# KiCad board demo_matrix2.kicad_pcb (continued)
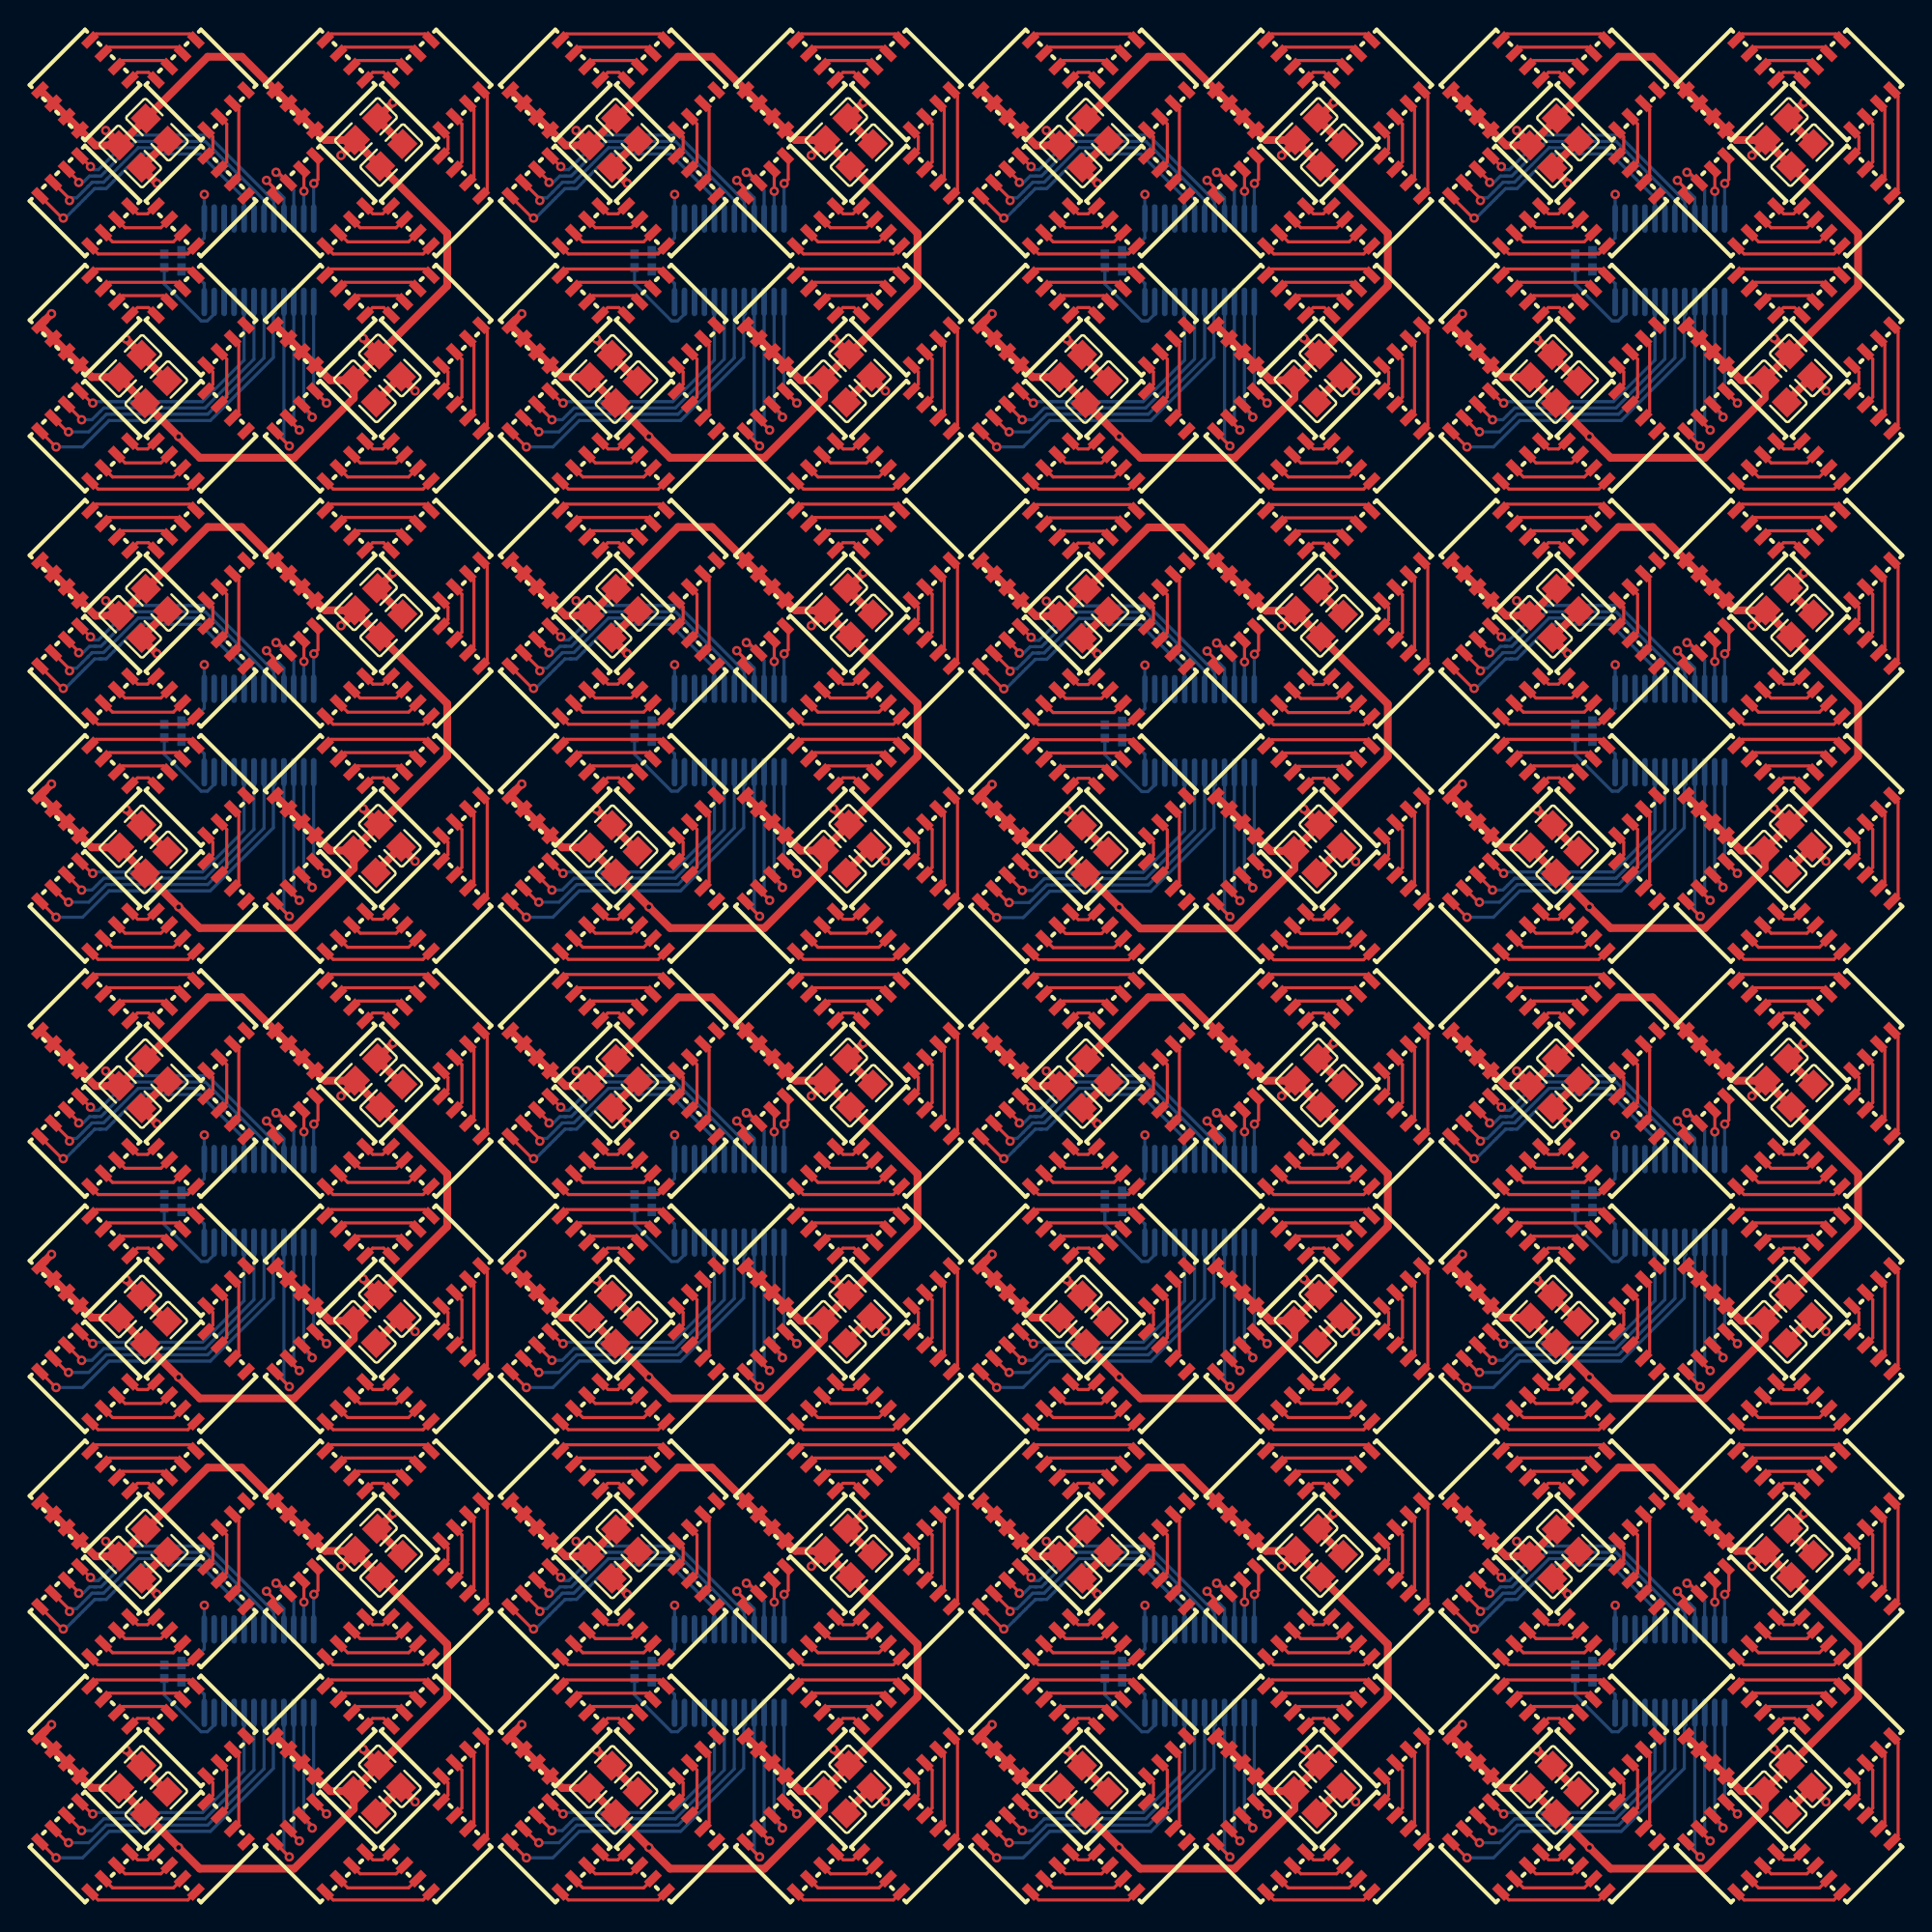
[diagram p0: board, top side]
## Routing (per net, layer and track width the routed paths; a pad name or vN(x,y) marks a point on that pad's centre or on a via; arc(x,y) is an arc through that point) (continued)
driver-power-GND-11: length 5.8
  Bottom w0.2: v1(71.41,75.39) 71.41,75.39 U26.1 71.41,72.61 70.51,71.71 C54.2 69.84,71.59 R6.2
driver-power-GND-12: length 5.8
  Bottom w0.2: R7.2 39.84,71.61 C63.2 40.51,71.73 41.41,72.63 U31.1 41.41,75.41 v1(41.41,75.42)
driver-power-GND-13: length 5.8
  Bottom w0.2: R8.2 9.84,71.61 C72.2 10.51,71.73 11.41,72.63 U36.1 11.41,75.41 v1(11.41,75.42)
driver-power-GND-14: length 5.8
  Bottom w0.2: R9.2 9.84,41.61 C81.2 10.51,41.73 11.41,42.63 U41.1 11.41,45.41 v1(11.41,45.42)
driver-power-GND-15: length 5.8
  Bottom w0.2: R10.2 39.84,41.61 C90.2 40.51,41.73 41.41,42.63 U46.1 41.41,45.41 v1(41.41,45.42)
driver-power-VCC-0: length 3
  Bottom w0.2: C9.1 10.51,100.63 11.41,99.73 U1.24
driver-power-VCC-1: length 3
  Bottom w0.2: U51.24 71.41,39.73 70.51,40.63 C99.1
driver-power-VCC-2: length 3
  Bottom w0.2: C108.1 100.51,40.63 101.41,39.73 U56.24
driver-power-VCC-3: length 3
  Bottom w0.2: U61.24 101.41,9.73 100.51,10.63 C117.1
driver-power-VCC-4: length 3
  Bottom w0.2: C126.1 70.51,10.63 71.41,9.73 U66.24
driver-power-VCC-5: length 3
  Bottom w0.2: C135.1 40.51,10.63 41.41,9.73 U71.24
driver-power-VCC-6: length 3
  Bottom w0.2: C144.1 10.51,10.63 11.41,9.73 U76.24
driver-power-VCC-7: length 3
  Bottom w0.2: U6.24 41.41,99.73 40.51,100.63 C18.1
driver-power-VCC-8: length 3
  Bottom w0.2: U11.24 71.41,99.73 70.51,100.63 C27.1
driver-power-VCC-9: length 3
  Bottom w0.2: C36.1 100.51,100.63 101.41,99.73 U16.24
driver-power-VCC-10: length 3
  Bottom w0.2: C45.1 100.51,70.63 101.41,69.73 U21.24
driver-power-VCC-11: length 3
  Bottom w0.2: C54.1 70.51,70.61 71.41,69.71 U26.24
driver-power-VCC-12: length 3
  Bottom w0.2: U31.24 41.41,69.73 40.51,70.63 C63.1
driver-power-VCC-13: length 3
  Bottom w0.2: U36.24 11.41,69.73 10.51,70.63 C72.1
driver-power-VCC-14: length 3
  Bottom w0.2: U41.24 11.41,39.73 10.51,40.63 C81.1
driver-power-VCC-15: length 3
  Bottom w0.2: U46.24 41.41,39.73 40.51,40.63 C90.1
rgbs[1]-anodes-anode-0: length 5.4
  Top w0.2: LED1.3 5.36,114.81 9.64,114.81 LED2.4
rgbs[1]-anodes-anode-1: length 7.1
  Top w0.2: LED2.2 10.49,115.66 4.51,115.66 LED1.1
rgbs[1]-anodes-anode-2: length 3.7
  Top w0.2: LED1.5 6.21,113.96 8.79,113.96 LED2.6
rgbs[1]-anodes-anode-3: length 2.1
  Top w0.2: LED2.8 7.85,113.2 7.15,113.2 LED1.7
rgbs[1]-anodes-anode-4: length 5.4
  Top w0.2: LED5.3 20.36,114.81 24.64,114.81 LED6.4
rgbs[1]-anodes-anode-5: length 7.1
  Top w0.2: LED6.2 25.49,115.66 19.51,115.66 LED5.1
rgbs[1]-anodes-anode-6: length 3.7
  Top w0.2: LED5.5 21.21,113.96 23.79,113.96 LED6.6
rgbs[1]-anodes-anode-7: length 2.1
  Top w0.2: LED6.8 22.85,113.2 22.15,113.2 LED5.7
rgbs[1]-anodes-anode-8: length 5.4
  Top w0.2: LED9.3 5.36,99.81 9.64,99.81 LED10.4
rgbs[1]-anodes-anode-9: length 7.1
  Top w0.2: LED9.1 4.51,100.66 10.49,100.66 LED10.2
rgbs[1]-anodes-anode-10: length 3.7
  Top w0.2: LED10.6 8.79,98.96 6.21,98.96 LED9.5
rgbs[1]-anodes-anode-11: length 2.1
  Top w0.2: LED10.8 7.85,98.2 7.15,98.2 LED9.7
rgbs[1]-anodes-anode-12: length 5.4
  Top w0.2: LED14.4 24.64,99.81 20.36,99.81 LED13.3
rgbs[1]-anodes-anode-13: length 7.1
  Top w0.2: LED14.2 25.49,100.66 19.51,100.66 LED13.1
rgbs[1]-anodes-anode-14: length 3.7
  Top w0.2: LED13.5 21.21,98.96 23.79,98.96 LED14.6
rgbs[1]-anodes-anode-15: length 2.1
  Top w0.2: LED14.8 22.85,98.2 22.15,98.2 LED13.7
rgbs[1]-anodes-anode-16: length 5.4
  Top w0.2: LED162.4 69.64,54.81 65.36,54.81 LED161.3
rgbs[1]-anodes-anode-17: length 7.1
  Top w0.2: LED161.1 64.51,55.66 70.49,55.66 LED162.2
rgbs[1]-anodes-anode-18: length 3.7
  Top w0.2: LED161.5 66.21,53.96 68.79,53.96 LED162.6
rgbs[1]-anodes-anode-19: length 2.1
  Top w0.2: LED161.7 67.15,53.2 67.85,53.2 LED162.8
rgbs[1]-anodes-anode-20: length 5.4
  Top w0.2: LED165.3 80.36,54.81 84.64,54.81 LED166.4
rgbs[1]-anodes-anode-21: length 7.1
  Top w0.2: LED166.2 85.49,55.66 79.51,55.66 LED165.1
rgbs[1]-anodes-anode-22: length 3.7
  Top w0.2: LED165.5 81.21,53.96 83.79,53.96 LED166.6
rgbs[1]-anodes-anode-23: length 2.1
  Top w0.2: LED166.8 82.85,53.2 82.15,53.2 LED165.7
rgbs[1]-anodes-anode-24: length 5.4
  Top w0.2: LED169.3 65.36,39.81 69.64,39.81 LED170.4
rgbs[1]-anodes-anode-25: length 7.1
  Top w0.2: LED170.2 70.49,40.66 64.51,40.66 LED169.1
rgbs[1]-anodes-anode-26: length 3.7
  Top w0.2: LED170.6 68.79,38.96 66.21,38.96 LED169.5
rgbs[1]-anodes-anode-27: length 2.1
  Top w0.2: LED170.8 67.85,38.2 67.15,38.2 LED169.7
rgbs[1]-anodes-anode-28: length 5.4
  Top w0.2: LED173.3 80.36,39.81 84.64,39.81 LED174.4
rgbs[1]-anodes-anode-29: length 7.1
  Top w0.2: LED173.1 79.51,40.66 85.49,40.66 LED174.2
rgbs[1]-anodes-anode-30: length 3.7
  Top w0.2: LED173.5 81.21,38.96 83.79,38.96 LED174.6
rgbs[1]-anodes-anode-31: length 2.1
  Top w0.2: LED174.8 82.85,38.2 82.15,38.2 LED173.7
rgbs[1]-anodes-anode-32: length 5.4
  Top w0.2: LED178.4 99.64,54.81 95.36,54.81 LED177.3
rgbs[1]-anodes-anode-33: length 7.1
  Top w0.2: LED177.1 94.51,55.66 100.49,55.66 LED178.2
rgbs[1]-anodes-anode-34: length 3.7
  Top w0.2: LED178.6 98.79,53.96 96.21,53.96 LED177.5
rgbs[1]-anodes-anode-35: length 2.1
  Top w0.2: LED177.7 97.15,53.2 97.85,53.2 LED178.8
rgbs[1]-anodes-anode-36: length 5.4
  Top w0.2: LED181.3 110.36,54.81 114.64,54.81 LED182.4
rgbs[1]-anodes-anode-37: length 7.1
  Top w0.2: LED182.2 115.49,55.66 109.51,55.66 LED181.1
rgbs[1]-anodes-anode-38: length 3.7
  Top w0.2: LED182.6 113.79,53.96 111.21,53.96 LED181.5
rgbs[1]-anodes-anode-39: length 2.1
  Top w0.2: LED181.7 112.15,53.2 112.85,53.2 LED182.8
rgbs[1]-anodes-anode-40: length 5.4
  Top w0.2: LED186.4 99.64,39.81 95.36,39.81 LED185.3
rgbs[1]-anodes-anode-41: length 7.1
  Top w0.2: LED186.2 100.49,40.66 94.51,40.66 LED185.1
rgbs[1]-anodes-anode-42: length 3.7
  Top w0.2: LED186.6 98.79,38.96 96.21,38.96 LED185.5
rgbs[1]-anodes-anode-43: length 2.1
  Top w0.2: LED185.7 97.15,38.2 97.85,38.2 LED186.8
rgbs[1]-anodes-anode-44: length 5.4
  Top w0.2: LED189.3 110.36,39.81 114.64,39.81 LED190.4
rgbs[1]-anodes-anode-45: length 7.1
  Top w0.2: LED190.2 115.49,40.66 109.51,40.66 LED189.1
rgbs[1]-anodes-anode-46: length 3.7
  Top w0.2: LED190.6 113.79,38.96 111.21,38.96 LED189.5
rgbs[1]-anodes-anode-47: length 2.1
  Top w0.2: LED190.8 112.85,38.2 112.15,38.2 LED189.7
rgbs[1]-anodes-anode-48: length 5.4
  Top w0.2: LED194.4 99.64,24.81 95.36,24.81 LED193.3
rgbs[1]-anodes-anode-49: length 7.1
  Top w0.2: LED193.1 94.51,25.66 100.49,25.66 LED194.2
rgbs[1]-anodes-anode-50: length 3.7
  Top w0.2: LED193.5 96.21,23.96 98.79,23.96 LED194.6
rgbs[1]-anodes-anode-51: length 2.1
  Top w0.2: LED194.8 97.85,23.2 97.15,23.2 LED193.7
rgbs[1]-anodes-anode-52: length 5.4
  Top w0.2: LED197.3 110.36,24.81 114.64,24.81 LED198.4
rgbs[1]-anodes-anode-53: length 7.1
  Top w0.2: LED198.2 115.49,25.66 109.51,25.66 LED197.1
rgbs[1]-anodes-anode-54: length 3.7
  Top w0.2: LED198.6 113.79,23.96 111.21,23.96 LED197.5
rgbs[1]-anodes-anode-55: length 2.1
  Top w0.2: LED198.8 112.85,23.2 112.15,23.2 LED197.7
rgbs[1]-anodes-anode-56: length 5.4
  Top w0.2: LED201.3 95.36,9.81 99.64,9.81 LED202.4
rgbs[1]-anodes-anode-57: length 7.1
  Top w0.2: LED201.1 94.51,10.66 100.49,10.66 LED202.2
rgbs[1]-anodes-anode-58: length 3.7
  Top w0.2: LED201.5 96.21,8.96 98.79,8.96 LED202.6
rgbs[1]-anodes-anode-59: length 2.1
  Top w0.2: LED202.8 97.85,8.2 97.15,8.2 LED201.7
rgbs[1]-anodes-anode-60: length 5.4
  Top w0.2: LED206.4 114.64,9.81 110.36,9.81 LED205.3
rgbs[1]-anodes-anode-61: length 7.1
  Top w0.2: LED205.1 109.51,10.66 115.49,10.66 LED206.2
rgbs[1]-anodes-anode-62: length 3.7
  Top w0.2: LED206.6 113.79,8.96 111.21,8.96 LED205.5
rgbs[1]-anodes-anode-63: length 2.1
  Top w0.2: LED206.8 112.85,8.2 112.15,8.2 LED205.7
rgbs[1]-anodes-anode-64: length 5.4
  Top w0.2: LED209.3 65.36,24.81 69.64,24.81 LED210.4
rgbs[1]-anodes-anode-65: length 7.1
  Top w0.2: LED209.1 64.51,25.66 70.49,25.66 LED210.2
rgbs[1]-anodes-anode-66: length 3.7
  Top w0.2: LED210.6 68.79,23.96 66.21,23.96 LED209.5
rgbs[1]-anodes-anode-67: length 2.1
  Top w0.2: LED210.8 67.85,23.2 67.15,23.2 LED209.7
rgbs[1]-anodes-anode-68: length 5.4
  Top w0.2: LED213.3 80.36,24.81 84.64,24.81 LED214.4
rgbs[1]-anodes-anode-69: length 7.1
  Top w0.2: LED214.2 85.49,25.66 79.51,25.66 LED213.1
rgbs[1]-anodes-anode-70: length 3.7
  Top w0.2: LED214.6 83.79,23.96 81.21,23.96 LED213.5
rgbs[1]-anodes-anode-71: length 2.1
  Top w0.2: LED213.7 82.15,23.2 82.85,23.2 LED214.8
rgbs[1]-anodes-anode-72: length 5.4
  Top w0.2: LED218.4 69.64,9.81 65.36,9.81 LED217.3
rgbs[1]-anodes-anode-73: length 7.1
  Top w0.2: LED217.1 64.51,10.66 70.49,10.66 LED218.2
rgbs[1]-anodes-anode-74: length 3.7
  Top w0.2: LED217.5 66.21,8.96 68.79,8.96 LED218.6
rgbs[1]-anodes-anode-75: length 2.1
  Top w0.2: LED218.8 67.85,8.2 67.15,8.2 LED217.7
rgbs[1]-anodes-anode-76: length 5.4
  Top w0.2: LED222.4 84.64,9.81 80.36,9.81 LED221.3
rgbs[1]-anodes-anode-77: length 7.1
  Top w0.2: LED221.1 79.51,10.66 85.49,10.66 LED222.2
rgbs[1]-anodes-anode-78: length 3.7
  Top w0.2: LED221.5 81.21,8.96 83.79,8.96 LED222.6
rgbs[1]-anodes-anode-79: length 2.1
  Top w0.2: LED222.8 82.85,8.2 82.15,8.2 LED221.7
rgbs[1]-anodes-anode-80: length 5.4
  Top w0.2: LED225.3 35.36,24.81 39.64,24.81 LED226.4
rgbs[1]-anodes-anode-81: length 7.1
  Top w0.2: LED226.2 40.49,25.66 34.51,25.66 LED225.1
rgbs[1]-anodes-anode-82: length 3.7
  Top w0.2: LED226.6 38.79,23.96 36.21,23.96 LED225.5
rgbs[1]-anodes-anode-83: length 2.1
  Top w0.2: LED226.8 37.85,23.2 37.15,23.2 LED225.7
rgbs[1]-anodes-anode-84: length 5.4
  Top w0.2: LED230.4 54.64,24.81 50.36,24.81 LED229.3
rgbs[1]-anodes-anode-85: length 7.1
  Top w0.2: LED230.2 55.49,25.66 49.51,25.66 LED229.1
rgbs[1]-anodes-anode-86: length 3.7
  Top w0.2: LED230.6 53.79,23.96 51.21,23.96 LED229.5
rgbs[1]-anodes-anode-87: length 2.1
  Top w0.2: LED229.7 52.15,23.2 52.85,23.2 LED230.8
rgbs[1]-anodes-anode-88: length 5.4
  Top w0.2: LED233.3 35.36,9.81 39.64,9.81 LED234.4
rgbs[1]-anodes-anode-89: length 7.1
  Top w0.2: LED234.2 40.49,10.66 34.51,10.66 LED233.1
rgbs[1]-anodes-anode-90: length 3.7
  Top w0.2: LED233.5 36.21,8.96 38.79,8.96 LED234.6
rgbs[1]-anodes-anode-91: length 2.1
  Top w0.2: LED233.7 37.15,8.2 37.85,8.2 LED234.8
rgbs[1]-anodes-anode-92: length 5.4
  Top w0.2: LED237.3 50.36,9.81 54.64,9.81 LED238.4
rgbs[1]-anodes-anode-93: length 7.1
  Top w0.2: LED237.1 49.51,10.66 55.49,10.66 LED238.2
rgbs[1]-anodes-anode-94: length 3.7
  Top w0.2: LED238.6 53.79,8.96 51.21,8.96 LED237.5
rgbs[1]-anodes-anode-95: length 2.1
  Top w0.2: LED237.7 52.15,8.2 52.85,8.2 LED238.8
rgbs[1]-anodes-anode-96: length 5.4
  Top w0.2: LED241.3 5.36,24.81 9.64,24.81 LED242.4
rgbs[1]-anodes-anode-97: length 7.1
  Top w0.2: LED241.1 4.51,25.66 10.49,25.66 LED242.2
rgbs[1]-anodes-anode-98: length 3.7
  Top w0.2: LED242.6 8.79,23.96 6.21,23.96 LED241.5
rgbs[1]-anodes-anode-99: length 2.1
  Top w0.2: LED242.8 7.85,23.2 7.15,23.2 LED241.7
rgbs[1]-anodes-anode-100: length 5.4
  Top w0.2: LED246.4 24.64,24.81 20.36,24.81 LED245.3
rgbs[1]-anodes-anode-101: length 7.1
  Top w0.2: LED245.1 19.51,25.66 25.49,25.66 LED246.2
rgbs[1]-anodes-anode-102: length 3.7
  Top w0.2: LED245.5 21.21,23.96 23.79,23.96 LED246.6
rgbs[1]-anodes-anode-103: length 2.1
  Top w0.2: LED246.8 22.85,23.2 22.15,23.2 LED245.7
rgbs[1]-anodes-anode-104: length 5.4
  Top w0.2: LED250.4 9.64,9.81 5.36,9.81 LED249.3
rgbs[1]-anodes-anode-105: length 7.1
  Top w0.2: LED249.1 4.51,10.66 10.49,10.66 LED250.2
rgbs[1]-anodes-anode-106: length 3.7
  Top w0.2: LED249.5 6.21,8.96 8.79,8.96 LED250.6
rgbs[1]-anodes-anode-107: length 2.1
  Top w0.2: LED250.8 7.85,8.2 7.15,8.2 LED249.7
rgbs[1]-anodes-anode-108: length 5.4
  Top w0.2: LED253.3 20.36,9.81 24.64,9.81 LED254.4
rgbs[1]-anodes-anode-109: length 7.1
  Top w0.2: LED254.2 25.49,10.66 19.51,10.66 LED253.1
rgbs[1]-anodes-anode-110: length 3.7
  Top w0.2: LED254.6 23.79,8.96 21.21,8.96 LED253.5
rgbs[1]-anodes-anode-111: length 2.1
  Top w0.2: LED254.8 22.85,8.2 22.15,8.2 LED253.7
rgbs[1]-anodes-anode-112: length 5.4
  Top w0.2: LED18.4 39.64,114.81 35.36,114.81 LED17.3
rgbs[1]-anodes-anode-113: length 7.1
  Top w0.2: LED18.2 40.49,115.66 34.51,115.66 LED17.1
rgbs[1]-anodes-anode-114: length 3.7
  Top w0.2: LED17.5 36.21,113.96 38.79,113.96 LED18.6
rgbs[1]-anodes-anode-115: length 2.1
  Top w0.2: LED17.7 37.15,113.2 37.85,113.2 LED18.8
rgbs[1]-anodes-anode-116: length 5.4
  Top w0.2: LED22.4 54.64,114.81 50.36,114.81 LED21.3
rgbs[1]-anodes-anode-117: length 7.1
  Top w0.2: LED22.2 55.49,115.66 49.51,115.66 LED21.1
rgbs[1]-anodes-anode-118: length 3.7
  Top w0.2: LED22.6 53.79,113.96 51.21,113.96 LED21.5
rgbs[1]-anodes-anode-119: length 2.1
  Top w0.2: LED21.7 52.15,113.2 52.85,113.2 LED22.8
rgbs[1]-anodes-anode-120: length 5.4
  Top w0.2: LED25.3 35.36,99.81 39.64,99.81 LED26.4
rgbs[1]-anodes-anode-121: length 7.1
  Top w0.2: LED25.1 34.51,100.66 40.49,100.66 LED26.2
rgbs[1]-anodes-anode-122: length 3.7
  Top w0.2: LED25.5 36.21,98.96 38.79,98.96 LED26.6
rgbs[1]-anodes-anode-123: length 2.1
  Top w0.2: LED25.7 37.15,98.2 37.85,98.2 LED26.8
rgbs[1]-anodes-anode-124: length 5.4
  Top w0.2: LED29.3 50.36,99.81 54.64,99.81 LED30.4
rgbs[1]-anodes-anode-125: length 7.1
  Top w0.2: LED30.2 55.49,100.66 49.51,100.66 LED29.1
rgbs[1]-anodes-anode-126: length 3.7
  Top w0.2: LED30.6 53.79,98.96 51.21,98.96 LED29.5
rgbs[1]-anodes-anode-127: length 2.1
  Top w0.2: LED30.8 52.85,98.2 52.15,98.2 LED29.7
rgbs[1]-anodes-anode-128: length 5.4
  Top w0.2: LED34.4 69.64,114.81 65.36,114.81 LED33.3
rgbs[1]-anodes-anode-129: length 7.1
  Top w0.2: LED34.2 70.49,115.66 64.51,115.66 LED33.1
rgbs[1]-anodes-anode-130: length 3.7
  Top w0.2: LED33.5 66.21,113.96 68.79,113.96 LED34.6
rgbs[1]-anodes-anode-131: length 2.1
  Top w0.2: LED33.7 67.15,113.2 67.85,113.2 LED34.8
rgbs[1]-anodes-anode-132: length 5.4
  Top w0.2: LED37.3 80.36,114.81 84.64,114.81 LED38.4
rgbs[1]-anodes-anode-133: length 7.1
  Top w0.2: LED38.2 85.49,115.66 79.51,115.66 LED37.1
rgbs[1]-anodes-anode-134: length 3.7
  Top w0.2: LED37.5 81.21,113.96 83.79,113.96 LED38.6
rgbs[1]-anodes-anode-135: length 2.1
  Top w0.2: LED38.8 82.85,113.2 82.15,113.2 LED37.7
rgbs[1]-anodes-anode-136: length 5.4
  Top w0.2: LED41.3 65.36,99.81 69.64,99.81 LED42.4
rgbs[1]-anodes-anode-137: length 7.1
  Top w0.2: LED42.2 70.49,100.66 64.51,100.66 LED41.1
rgbs[1]-anodes-anode-138: length 3.7
  Top w0.2: LED42.6 68.79,98.96 66.21,98.96 LED41.5
rgbs[1]-anodes-anode-139: length 2.1
  Top w0.2: LED41.7 67.15,98.2 67.85,98.2 LED42.8
rgbs[1]-anodes-anode-140: length 5.4
  Top w0.2: LED46.4 84.64,99.81 80.36,99.81 LED45.3
rgbs[1]-anodes-anode-141: length 7.1
  Top w0.2: LED45.1 79.51,100.66 85.49,100.66 LED46.2
rgbs[1]-anodes-anode-142: length 3.7
  Top w0.2: LED45.5 81.21,98.96 83.79,98.96 LED46.6
rgbs[1]-anodes-anode-143: length 2.1
  Top w0.2: LED45.7 82.15,98.2 82.85,98.2 LED46.8
rgbs[1]-anodes-anode-144: length 5.4
  Top w0.2: LED49.3 95.36,114.81 99.64,114.81 LED50.4
rgbs[1]-anodes-anode-145: length 7.1
  Top w0.2: LED50.2 100.49,115.66 94.51,115.66 LED49.1
rgbs[1]-anodes-anode-146: length 3.7
  Top w0.2: LED50.6 98.79,113.96 96.21,113.96 LED49.5
rgbs[1]-anodes-anode-147: length 2.1
  Top w0.2: LED50.8 97.85,113.2 97.15,113.2 LED49.7
rgbs[1]-anodes-anode-148: length 5.4
  Top w0.2: LED54.4 114.64,114.81 110.36,114.81 LED53.3
rgbs[1]-anodes-anode-149: length 7.1
  Top w0.2: LED54.2 115.49,115.66 109.51,115.66 LED53.1
rgbs[1]-anodes-anode-150: length 3.7
  Top w0.2: LED54.6 113.79,113.96 111.21,113.96 LED53.5
rgbs[1]-anodes-anode-151: length 2.1
  Top w0.2: LED53.7 112.15,113.2 112.85,113.2 LED54.8
rgbs[1]-anodes-anode-152: length 5.4
  Top w0.2: LED57.3 95.36,99.81 99.64,99.81 LED58.4
rgbs[1]-anodes-anode-153: length 7.1
  Top w0.2: LED58.2 100.49,100.66 94.51,100.66 LED57.1
rgbs[1]-anodes-anode-154: length 3.7
  Top w0.2: LED57.5 96.21,98.96 98.79,98.96 LED58.6
rgbs[1]-anodes-anode-155: length 2.1
  Top w0.2: LED58.8 97.85,98.2 97.15,98.2 LED57.7
rgbs[1]-anodes-anode-156: length 5.4
  Top w0.2: LED62.4 114.64,99.81 110.36,99.81 LED61.3
rgbs[1]-anodes-anode-157: length 7.1
  Top w0.2: LED61.1 109.51,100.66 115.49,100.66 LED62.2
rgbs[1]-anodes-anode-158: length 3.7
  Top w0.2: LED61.5 111.21,98.96 113.79,98.96 LED62.6
rgbs[1]-anodes-anode-159: length 2.1
  Top w0.2: LED62.8 112.85,98.2 112.15,98.2 LED61.7
rgbs[1]-anodes-anode-160: length 5.4
  Top w0.2: LED65.3 95.36,84.81 99.64,84.81 LED66.4
rgbs[1]-anodes-anode-161: length 7.1
  Top w0.2: LED65.1 94.51,85.66 100.48,85.66 LED66.2
rgbs[1]-anodes-anode-162: length 3.7
  Top w0.2: LED65.5 96.21,83.96 98.79,83.96 LED66.6
rgbs[1]-anodes-anode-163: length 2.1
  Top w0.2: LED66.8 97.85,83.2 97.15,83.2 LED65.7
rgbs[1]-anodes-anode-164: length 5.4
  Top w0.2: LED70.4 114.64,84.81 110.36,84.81 LED69.3
rgbs[1]-anodes-anode-165: length 7.1
  Top w0.2: LED70.2 115.48,85.66 109.51,85.66 LED69.1
rgbs[1]-anodes-anode-166: length 3.7
  Top w0.2: LED70.6 113.79,83.96 111.21,83.96 LED69.5
rgbs[1]-anodes-anode-167: length 2.1
  Top w0.2: LED69.7 112.15,83.2 112.85,83.2 LED70.8
rgbs[1]-anodes-anode-168: length 5.4
  Top w0.2: LED74.4 99.64,69.81 95.36,69.81 LED73.3
rgbs[1]-anodes-anode-169: length 7.1
  Top w0.2: LED73.1 94.51,70.66 100.48,70.66 LED74.2
rgbs[1]-anodes-anode-170: length 3.7
  Top w0.2: LED73.5 96.21,68.96 98.79,68.96 LED74.6
rgbs[1]-anodes-anode-171: length 2.1
  Top w0.2: LED74.8 97.85,68.2 97.15,68.2 LED73.7
rgbs[1]-anodes-anode-172: length 5.4
  Top w0.2: LED77.3 110.36,69.81 114.64,69.81 LED78.4
rgbs[1]-anodes-anode-173: length 7.1
  Top w0.2: LED77.1 109.51,70.66 115.48,70.66 LED78.2
rgbs[1]-anodes-anode-174: length 3.7
  Top w0.2: LED77.5 111.21,68.96 113.79,68.96 LED78.6
rgbs[1]-anodes-anode-175: length 2.1
  Top w0.2: LED77.7 112.15,68.2 112.85,68.2 LED78.8
rgbs[1]-anodes-anode-176: length 5.4
  Top w0.2: LED81.3 65.36,84.79 69.64,84.79 LED82.4
rgbs[1]-anodes-anode-177: length 7.1
  Top w0.2: LED82.2 70.49,85.63 64.51,85.63 LED81.1
rgbs[1]-anodes-anode-178: length 3.7
  Top w0.2: LED81.5 66.21,83.94 68.79,83.94 LED82.6
rgbs[1]-anodes-anode-179: length 2.1
  Top w0.2: LED81.7 67.15,83.18 67.85,83.18 LED82.8
rgbs[1]-anodes-anode-180: length 5.4
  Top w0.2: LED86.4 84.64,84.79 80.36,84.79 LED85.3
rgbs[1]-anodes-anode-181: length 7.1
  Top w0.2: LED86.2 85.49,85.63 79.51,85.63 LED85.1
rgbs[1]-anodes-anode-182: length 3.7
  Top w0.2: LED86.6 83.79,83.94 81.21,83.94 LED85.5
rgbs[1]-anodes-anode-183: length 2.1
  Top w0.2: LED85.7 82.15,83.18 82.85,83.18 LED86.8
rgbs[1]-anodes-anode-184: length 5.4
  Top w0.2: LED89.3 65.36,69.79 69.64,69.79 LED90.4
rgbs[1]-anodes-anode-185: length 7.1
  Top w0.2: LED90.2 70.49,70.63 64.51,70.63 LED89.1
rgbs[1]-anodes-anode-186: length 3.7
  Top w0.2: LED89.5 66.21,68.94 68.79,68.94 LED90.6
rgbs[1]-anodes-anode-187: length 2.1
  Top w0.2: LED90.8 67.85,68.18 67.15,68.18 LED89.7
rgbs[1]-anodes-anode-188: length 5.4
  Top w0.2: LED94.4 84.64,69.79 80.36,69.79 LED93.3
rgbs[1]-anodes-anode-189: length 7.1
  Top w0.2: LED93.1 79.51,70.63 85.49,70.63 LED94.2
rgbs[1]-anodes-anode-190: length 3.7
  Top w0.2: LED93.5 81.21,68.94 83.79,68.94 LED94.6
rgbs[1]-anodes-anode-191: length 2.1
  Top w0.2: LED94.8 82.85,68.18 82.15,68.18 LED93.7
rgbs[1]-anodes-anode-192: length 5.4
  Top w0.2: LED97.3 35.36,84.81 39.64,84.81 LED98.4
rgbs[1]-anodes-anode-193: length 7.1
  Top w0.2: LED98.2 40.49,85.66 34.51,85.66 LED97.1
rgbs[1]-anodes-anode-194: length 3.7
  Top w0.2: LED98.6 38.79,83.96 36.21,83.96 LED97.5
rgbs[1]-anodes-anode-195: length 2.1
  Top w0.2: LED98.8 37.85,83.2 37.15,83.2 LED97.7
rgbs[1]-anodes-anode-196: length 5.4
  Top w0.2: LED102.4 54.64,84.81 50.36,84.81 LED101.3
rgbs[1]-anodes-anode-197: length 7.1
  Top w0.2: LED102.2 55.49,85.66 49.51,85.66 LED101.1
rgbs[1]-anodes-anode-198: length 3.7
  Top w0.2: LED102.6 53.79,83.96 51.21,83.96 LED101.5
rgbs[1]-anodes-anode-199: length 2.1
  Top w0.2: LED102.8 52.85,83.2 52.15,83.2 LED101.7
rgbs[1]-anodes-anode-200: length 5.4
  Top w0.2: LED105.3 35.36,69.81 39.64,69.81 LED106.4
rgbs[1]-anodes-anode-201: length 7.1
  Top w0.2: LED106.2 40.49,70.66 34.51,70.66 LED105.1
rgbs[1]-anodes-anode-202: length 3.7
  Top w0.2: LED105.5 36.21,68.96 38.79,68.96 LED106.6
rgbs[1]-anodes-anode-203: length 2.1
  Top w0.2: LED105.7 37.15,68.2 37.85,68.2 LED106.8
rgbs[1]-anodes-anode-204: length 5.4
  Top w0.2: LED109.3 50.36,69.81 54.64,69.81 LED110.4
rgbs[1]-anodes-anode-205: length 7.1
  Top w0.2: LED110.2 55.49,70.66 49.51,70.66 LED109.1
rgbs[1]-anodes-anode-206: length 3.7
  Top w0.2: LED109.5 51.21,68.96 53.79,68.96 LED110.6
rgbs[1]-anodes-anode-207: length 2.1
  Top w0.2: LED109.7 52.15,68.2 52.85,68.2 LED110.8
rgbs[1]-anodes-anode-208: length 5.4
  Top w0.2: LED114.4 9.64,84.81 5.36,84.81 LED113.3
rgbs[1]-anodes-anode-209: length 7.1
  Top w0.2: LED113.1 4.51,85.66 10.49,85.66 LED114.2
rgbs[1]-anodes-anode-210: length 3.7
  Top w0.2: LED113.5 6.21,83.96 8.79,83.96 LED114.6
rgbs[1]-anodes-anode-211: length 2.1
  Top w0.2: LED113.7 7.15,83.2 7.85,83.2 LED114.8
rgbs[1]-anodes-anode-212: length 5.4
  Top w0.2: LED118.4 24.64,84.81 20.36,84.81 LED117.3
rgbs[1]-anodes-anode-213: length 7.1
  Top w0.2: LED118.2 25.49,85.66 19.51,85.66 LED117.1
rgbs[1]-anodes-anode-214: length 3.7
  Top w0.2: LED117.5 21.21,83.96 23.79,83.96 LED118.6
rgbs[1]-anodes-anode-215: length 2.1
  Top w0.2: LED117.7 22.15,83.2 22.85,83.2 LED118.8
rgbs[1]-anodes-anode-216: length 5.4
  Top w0.2: LED121.3 5.36,69.81 9.64,69.81 LED122.4
rgbs[1]-anodes-anode-217: length 7.1
  Top w0.2: LED122.2 10.49,70.66 4.51,70.66 LED121.1
rgbs[1]-anodes-anode-218: length 3.7
  Top w0.2: LED121.5 6.21,68.96 8.79,68.96 LED122.6
rgbs[1]-anodes-anode-219: length 2.1
  Top w0.2: LED122.8 7.85,68.2 7.15,68.2 LED121.7
rgbs[1]-anodes-anode-220: length 5.4
  Top w0.2: LED126.4 24.64,69.81 20.36,69.81 LED125.3
rgbs[1]-anodes-anode-221: length 7.1
  Top w0.2: LED126.2 25.49,70.66 19.51,70.66 LED125.1
rgbs[1]-anodes-anode-222: length 3.7
  Top w0.2: LED126.6 23.79,68.96 21.21,68.96 LED125.5
rgbs[1]-anodes-anode-223: length 2.1
  Top w0.2: LED126.8 22.85,68.2 22.15,68.2 LED125.7
rgbs[1]-anodes-anode-224: length 5.4
  Top w0.2: LED129.3 5.36,54.81 9.64,54.81 LED130.4
rgbs[1]-anodes-anode-225: length 7.1
  Top w0.2: LED130.2 10.49,55.66 4.51,55.66 LED129.1
rgbs[1]-anodes-anode-226: length 3.7
  Top w0.2: LED130.6 8.79,53.96 6.21,53.96 LED129.5
rgbs[1]-anodes-anode-227: length 2.1
  Top w0.2: LED129.7 7.15,53.2 7.85,53.2 LED130.8
rgbs[1]-anodes-anode-228: length 5.4
  Top w0.2: LED133.3 20.36,54.81 24.64,54.81 LED134.4
rgbs[1]-anodes-anode-229: length 7.1
  Top w0.2: LED133.1 19.51,55.66 25.49,55.66 LED134.2
rgbs[1]-anodes-anode-230: length 3.7
  Top w0.2: LED134.6 23.79,53.96 21.21,53.96 LED133.5
rgbs[1]-anodes-anode-231: length 2.1
  Top w0.2: LED134.8 22.85,53.2 22.15,53.2 LED133.7
rgbs[1]-anodes-anode-232: length 5.4
  Top w0.2: LED138.4 9.64,39.81 5.36,39.81 LED137.3
rgbs[1]-anodes-anode-233: length 7.1
  Top w0.2: LED138.2 10.49,40.66 4.51,40.66 LED137.1
rgbs[1]-anodes-anode-234: length 3.7
  Top w0.2: LED138.6 8.79,38.96 6.21,38.96 LED137.5
rgbs[1]-anodes-anode-235: length 2.1
  Top w0.2: LED138.8 7.85,38.2 7.15,38.2 LED137.7
rgbs[1]-anodes-anode-236: length 5.4
  Top w0.2: LED142.4 24.64,39.81 20.36,39.81 LED141.3
rgbs[1]-anodes-anode-237: length 7.1
  Top w0.2: LED141.1 19.51,40.66 25.49,40.66 LED142.2
rgbs[1]-anodes-anode-238: length 3.7
  Top w0.2: LED142.6 23.79,38.96 21.21,38.96 LED141.5
rgbs[1]-anodes-anode-239: length 2.1
  Top w0.2: LED141.7 22.15,38.2 22.85,38.2 LED142.8
rgbs[1]-anodes-anode-240: length 5.4
  Top w0.2: LED146.4 39.64,54.81 35.36,54.81 LED145.3
rgbs[1]-anodes-anode-241: length 7.1
  Top w0.2: LED145.1 34.51,55.66 40.49,55.66 LED146.2
rgbs[1]-anodes-anode-242: length 3.7
  Top w0.2: LED145.5 36.21,53.96 38.79,53.96 LED146.6
rgbs[1]-anodes-anode-243: length 2.1
  Top w0.2: LED145.7 37.15,53.2 37.85,53.2 LED146.8
rgbs[1]-anodes-anode-244: length 5.4
  Top w0.2: LED150.4 54.64,54.81 50.36,54.81 LED149.3
rgbs[1]-anodes-anode-245: length 7.1
  Top w0.2: LED149.1 49.51,55.66 55.49,55.66 LED150.2
rgbs[1]-anodes-anode-246: length 3.7
  Top w0.2: LED149.5 51.21,53.96 53.79,53.96 LED150.6
rgbs[1]-anodes-anode-247: length 2.1
  Top w0.2: LED150.8 52.85,53.2 52.15,53.2 LED149.7
rgbs[1]-anodes-anode-248: length 5.4
  Top w0.2: LED153.3 35.36,39.81 39.64,39.81 LED154.4
rgbs[1]-anodes-anode-249: length 7.1
  Top w0.2: LED153.1 34.51,40.66 40.49,40.66 LED154.2
rgbs[1]-anodes-anode-250: length 3.7
  Top w0.2: LED153.5 36.21,38.96 38.79,38.96 LED154.6
rgbs[1]-anodes-anode-251: length 2.1
  Top w0.2: LED153.7 37.15,38.2 37.85,38.2 LED154.8
rgbs[1]-anodes-anode-252: length 5.4
  Top w0.2: LED158.4 54.64,39.81 50.36,39.81 LED157.3
rgbs[1]-anodes-anode-253: length 7.1
  Top w0.2: LED157.1 49.51,40.66 55.49,40.66 LED158.2
rgbs[1]-anodes-anode-254: length 3.7
  Top w0.2: LED158.6 53.79,38.96 51.21,38.96 LED157.5
rgbs[1]-anodes-anode-255: length 2.1
  Top w0.2: LED158.8 52.85,38.2 52.15,38.2 LED157.7
rgbs[2]-anodes-anode-0: length 5.4
  Top w0.2: LED3.4 13.61,106.56 13.61,110.84 LED2.3
